# KiCad board motordecoder2-roomlight.kicad_pcb (continued)
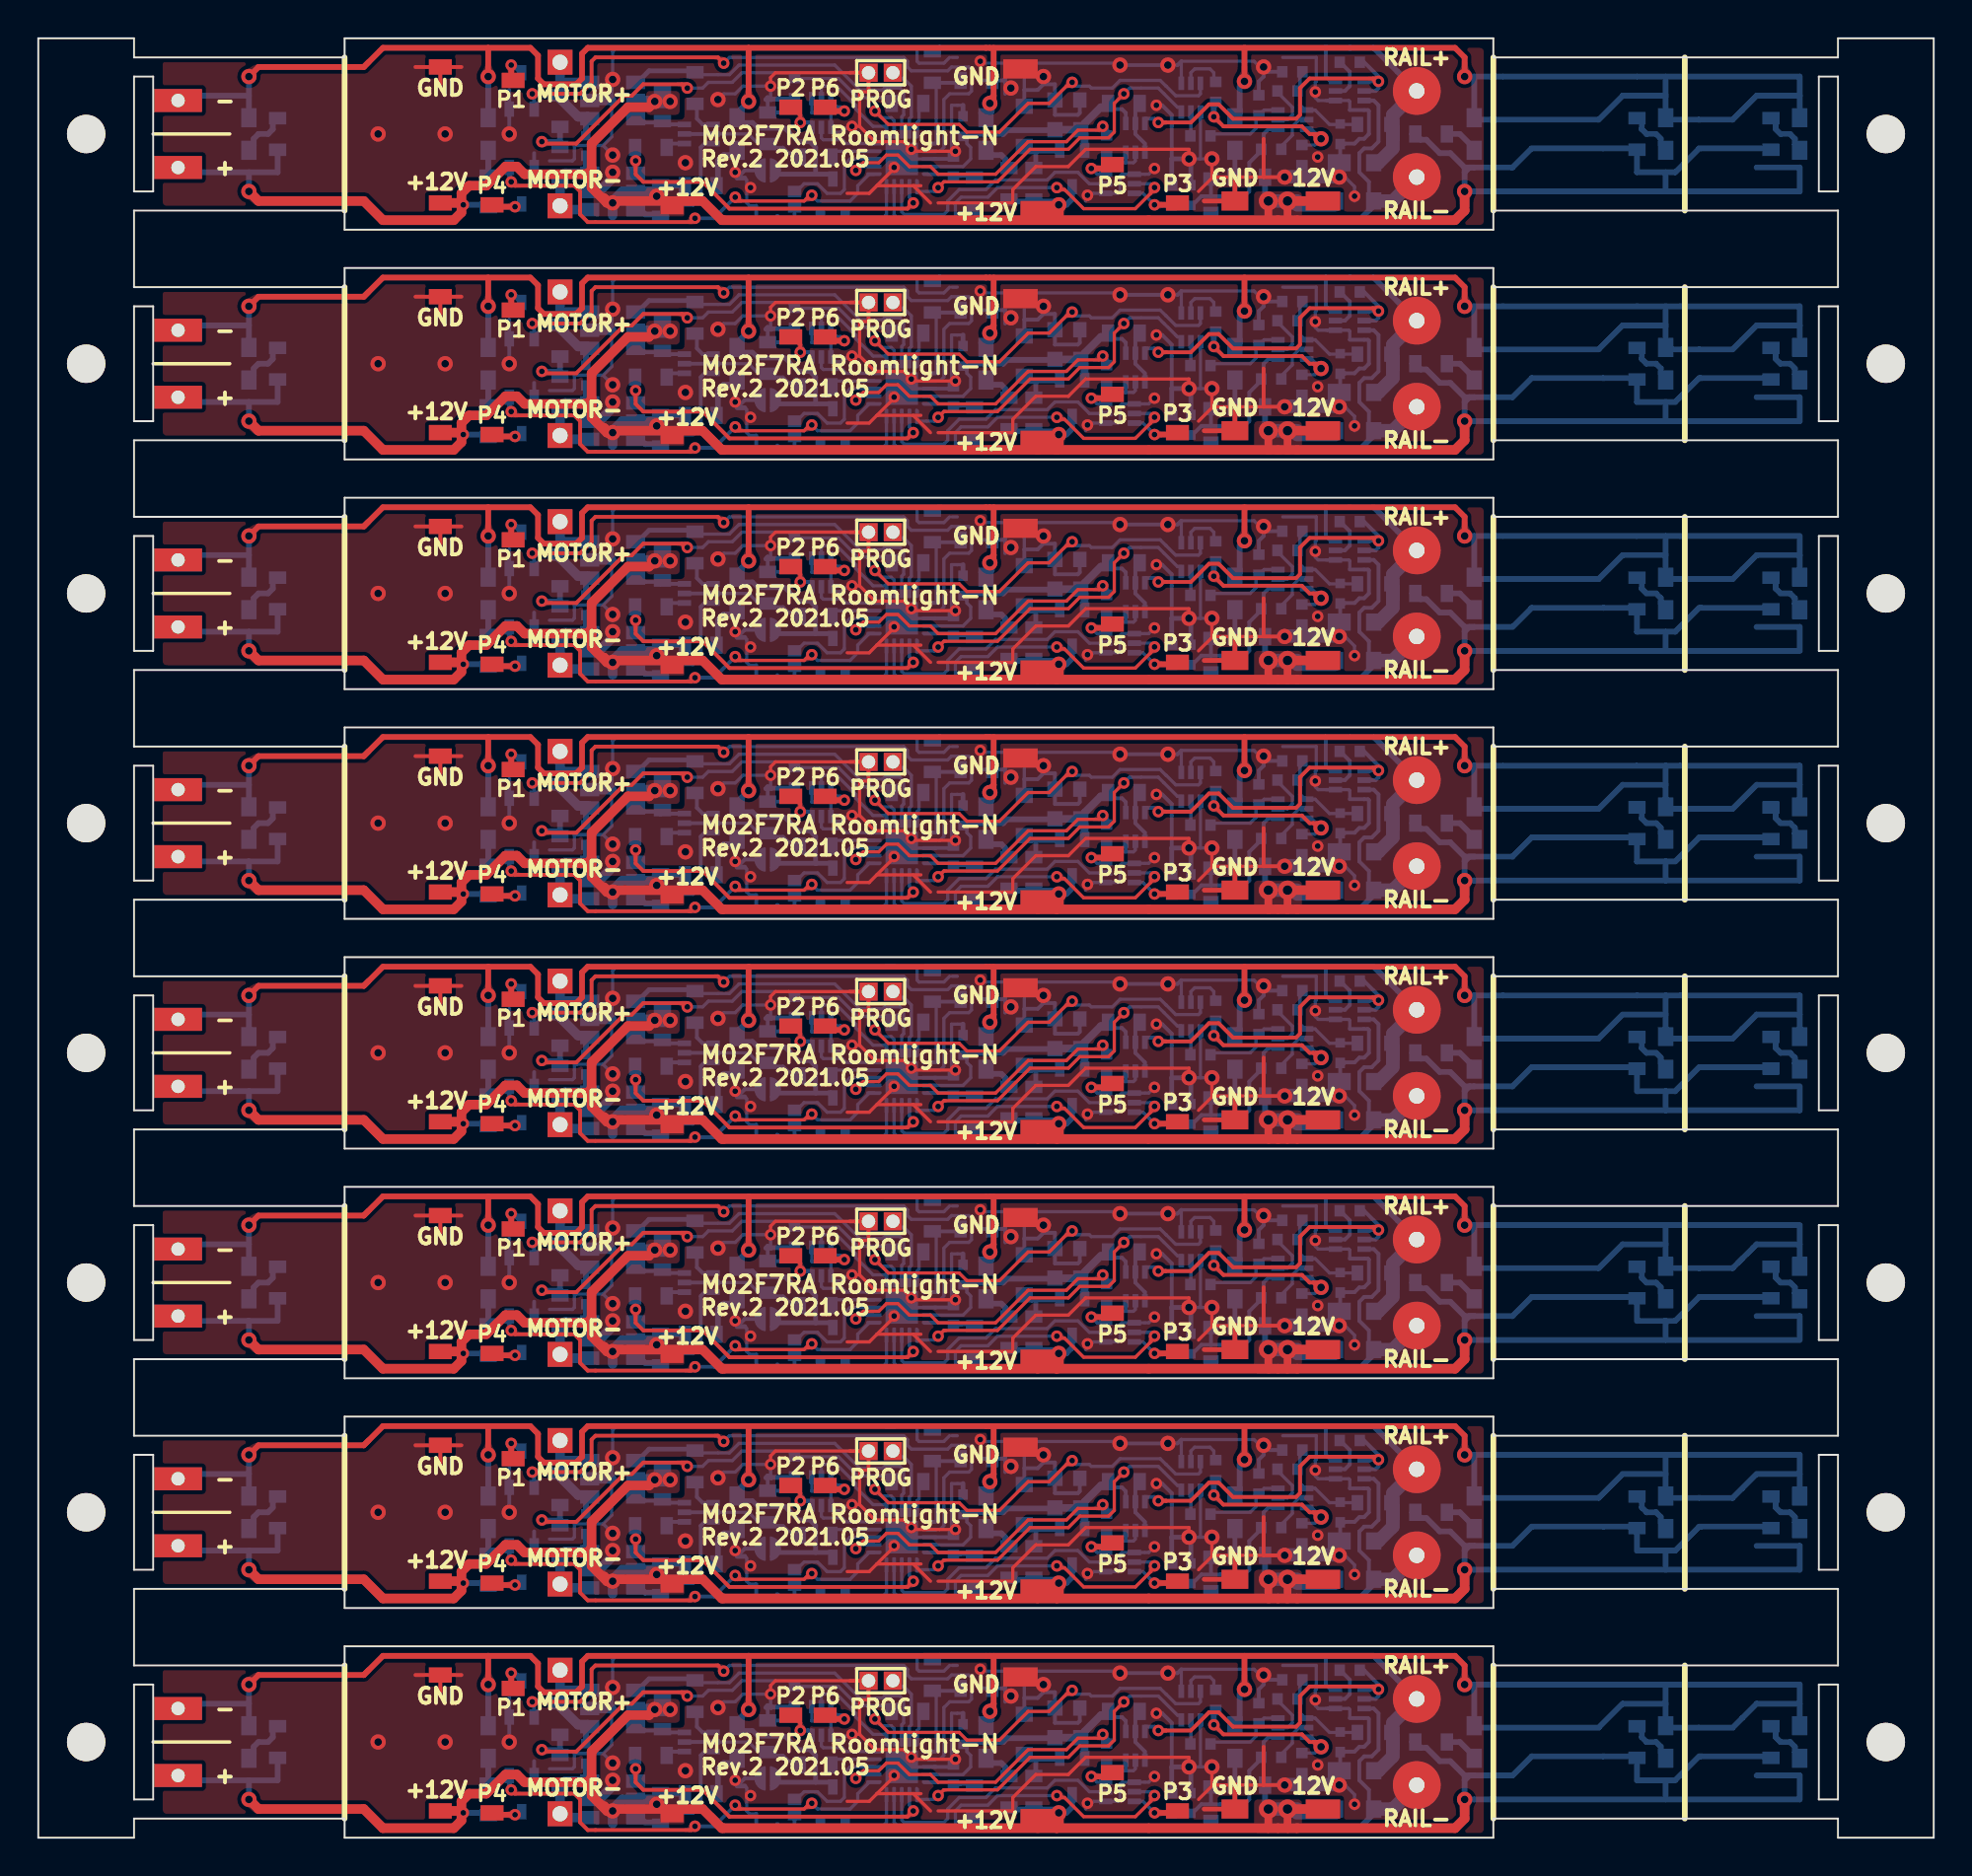
[diagram p0: board, top side]
## Placement (name value [footprint] x y rotation side) (continued)
J12#8  PAD  [PAD_1.2x0.8_SMD]  23.7 1.3 0 top
J13  PAD  [PAD_1.2x0.8_SMD]  56.1 87.4 0 top
J13#2  PAD  [PAD_1.2x0.8_SMD]  56.1 75.4 0 top
J13#3  PAD  [PAD_1.2x0.8_SMD]  56.1 63.4 0 top
J13#4  PAD  [PAD_1.2x0.8_SMD]  56.1 51.4 0 top
J13#5  PAD  [PAD_1.2x0.8_SMD]  56.1 39.4 0 top
J13#6  PAD  [PAD_1.2x0.8_SMD]  56.1 27.4 0 top
J13#7  PAD  [PAD_1.2x0.8_SMD]  56.1 15.4 0 top
J13#8  PAD  [PAD_1.2x0.8_SMD]  56.1 3.4 0 top
J14  PAD  [PAD_1.2x0.8_SMD]  59.5 85.4 0 top
J14#2  PAD  [PAD_1.2x0.8_SMD]  59.5 73.4 0 top
J14#3  PAD  [PAD_1.2x0.8_SMD]  59.5 61.4 0 top
J14#4  PAD  [PAD_1.2x0.8_SMD]  59.5 49.4 0 top
J14#5  PAD  [PAD_1.2x0.8_SMD]  59.5 37.4 0 top
J14#6  PAD  [PAD_1.2x0.8_SMD]  59.5 25.4 0 top
J14#7  PAD  [PAD_1.2x0.8_SMD]  59.5 13.4 0 top
J14#8  PAD  [PAD_1.2x0.8_SMD]  59.5 1.4 0 top
J15  PAD  [PAD_1.0x1.8_SMD]  52.2 85 90 top
J15#2  PAD  [PAD_1.0x1.8_SMD]  52.2 73 90 top
J15#3  PAD  [PAD_1.0x1.8_SMD]  52.2 61 90 top
J15#4  PAD  [PAD_1.0x1.8_SMD]  52.2 49 90 top
J15#5  PAD  [PAD_1.0x1.8_SMD]  52.2 37 90 top
J15#6  PAD  [PAD_1.0x1.8_SMD]  52.2 25 90 top
J15#7  PAD  [PAD_1.0x1.8_SMD]  52.2 13 90 top
J15#8  PAD  [PAD_1.0x1.8_SMD]  52.2 1 90 top
J16  PAD  [PAD_1.2x0.8_SMD]  41.1 90.4 0 top
J16#2  PAD  [PAD_1.2x0.8_SMD]  41.1 78.4 0 top
J16#3  PAD  [PAD_1.2x0.8_SMD]  41.1 66.4 0 top
J16#4  PAD  [PAD_1.2x0.8_SMD]  41.1 54.4 0 top
J16#5  PAD  [PAD_1.2x0.8_SMD]  41.1 42.4 0 top
J16#6  PAD  [PAD_1.2x0.8_SMD]  41.1 30.4 0 top
J16#7  PAD  [PAD_1.2x0.8_SMD]  41.1 18.4 0 top
J16#8  PAD  [PAD_1.2x0.8_SMD]  41.1 6.4 0 top
J17  PAD  [PAD_1.2x0.8_SMD]  33.1 85.2 0 top
J17#2  PAD  [PAD_1.2x0.8_SMD]  33.1 73.2 0 top
J17#3  PAD  [PAD_1.2x0.8_SMD]  33.1 61.2 0 top
J17#4  PAD  [PAD_1.2x0.8_SMD]  33.1 49.2 0 top
J17#5  PAD  [PAD_1.2x0.8_SMD]  33.1 37.2 0 top
J17#6  PAD  [PAD_1.2x0.8_SMD]  33.1 25.2 0 top
J17#7  PAD  [PAD_1.2x0.8_SMD]  33.1 13.2 0 top
J17#8  PAD  [PAD_1.2x0.8_SMD]  33.1 1.2 0 top
J18  PAD  [PAD_1.2x0.8_SMD]  39.3 90.4 0 top
J18#2  PAD  [PAD_1.2x0.8_SMD]  39.3 78.4 0 top
J18#3  PAD  [PAD_1.2x0.8_SMD]  39.3 66.4 0 top
J18#4  PAD  [PAD_1.2x0.8_SMD]  39.3 54.4 0 top
J18#5  PAD  [PAD_1.2x0.8_SMD]  39.3 42.4 0 top
J18#6  PAD  [PAD_1.2x0.8_SMD]  39.3 30.4 0 top
J18#7  PAD  [PAD_1.2x0.8_SMD]  39.3 18.4 0 top
J18#8  PAD  [PAD_1.2x0.8_SMD]  39.3 6.4 0 top
J19  PAD  [PAD_1.0x1.8_SMD]  51.3 92.4 90 top
J19#2  PAD  [PAD_1.0x1.8_SMD]  51.3 80.4 90 top
J19#3  PAD  [PAD_1.0x1.8_SMD]  51.3 68.4 90 top
J19#4  PAD  [PAD_1.0x1.8_SMD]  51.3 56.4 90 top
J19#5  PAD  [PAD_1.0x1.8_SMD]  51.3 44.4 90 top
J19#6  PAD  [PAD_1.0x1.8_SMD]  51.3 32.4 90 top
J19#7  PAD  [PAD_1.0x1.8_SMD]  51.3 20.4 90 top
J19#8  PAD  [PAD_1.0x1.8_SMD]  51.3 8.4 90 top
J21  PAD  [PCB_CONN_PAD_2.5mmx1.2mm]  7.3 87.25 0 top
J21#2  PAD  [PCB_CONN_PAD_2.5mmx1.2mm]  7.3 75.25 0 top
J21#3  PAD  [PCB_CONN_PAD_2.5mmx1.2mm]  7.3 63.25 0 top
J21#4  PAD  [PCB_CONN_PAD_2.5mmx1.2mm]  7.3 51.25 0 top
J21#5  PAD  [PCB_CONN_PAD_2.5mmx1.2mm]  7.3 39.25 0 top
J21#6  PAD  [PCB_CONN_PAD_2.5mmx1.2mm]  7.3 27.25 0 top
J21#7  PAD  [PCB_CONN_PAD_2.5mmx1.2mm]  7.3 15.25 0 top
J21#8  PAD  [PCB_CONN_PAD_2.5mmx1.2mm]  7.3 3.25 0 top
J22  PAD  [PCB_CONN_PAD_2.5mmx1.2mm]  7.3 90.75 0 top
J22#2  PAD  [PCB_CONN_PAD_2.5mmx1.2mm]  7.3 78.75 0 top
J22#3  PAD  [PCB_CONN_PAD_2.5mmx1.2mm]  7.3 66.75 0 top
J22#4  PAD  [PCB_CONN_PAD_2.5mmx1.2mm]  7.3 54.75 0 top
J22#5  PAD  [PCB_CONN_PAD_2.5mmx1.2mm]  7.3 42.75 0 top
J22#6  PAD  [PCB_CONN_PAD_2.5mmx1.2mm]  7.3 30.75 0 top
J22#7  PAD  [PCB_CONN_PAD_2.5mmx1.2mm]  7.3 18.75 0 top
J22#8  PAD  [PCB_CONN_PAD_2.5mmx1.2mm]  7.3 6.75 0 top
JP1  Jumper  [SOLDER_CONN_PAD_2_1.5mm]  38.1 87.1 90 bottom
JP1#2  Jumper  [SOLDER_CONN_PAD_2_1.5mm]  38.1 75.1 90 bottom
JP1#3  Jumper  [SOLDER_CONN_PAD_2_1.5mm]  38.1 63.1 90 bottom
JP1#4  Jumper  [SOLDER_CONN_PAD_2_1.5mm]  38.1 51.1 90 bottom
JP1#5  Jumper  [SOLDER_CONN_PAD_2_1.5mm]  38.1 39.1 90 bottom
JP1#6  Jumper  [SOLDER_CONN_PAD_2_1.5mm]  38.1 27.1 90 bottom
JP1#7  Jumper  [SOLDER_CONN_PAD_2_1.5mm]  38.1 15.1 90 bottom
JP1#8  Jumper  [SOLDER_CONN_PAD_2_1.5mm]  38.1 3.1 90 bottom
JP2  Jumper  [SOLDER_CONN_PAD_0.7mm_1.4mm]  39.5 85.6 270 bottom
JP2#2  Jumper  [SOLDER_CONN_PAD_0.7mm_1.4mm]  39.5 73.6 270 bottom
JP2#3  Jumper  [SOLDER_CONN_PAD_0.7mm_1.4mm]  39.5 61.6 270 bottom
JP2#4  Jumper  [SOLDER_CONN_PAD_0.7mm_1.4mm]  39.5 49.6 270 bottom
JP2#5  Jumper  [SOLDER_CONN_PAD_0.7mm_1.4mm]  39.5 37.6 270 bottom
JP2#6  Jumper  [SOLDER_CONN_PAD_0.7mm_1.4mm]  39.5 25.6 270 bottom
JP2#7  Jumper  [SOLDER_CONN_PAD_0.7mm_1.4mm]  39.5 13.6 270 bottom
JP2#8  Jumper  [SOLDER_CONN_PAD_0.7mm_1.4mm]  39.5 1.6 270 bottom
P1  PAD  [PAD_COIL_1.3x1.3_Hole0.8]  72 91.25 0 bottom
P1#2  PAD  [PAD_COIL_1.3x1.3_Hole0.8]  72 79.25 0 bottom
P1#3  PAD  [PAD_COIL_1.3x1.3_Hole0.8]  72 67.25 0 bottom
P1#4  PAD  [PAD_COIL_1.3x1.3_Hole0.8]  72 55.25 0 bottom
P1#5  PAD  [PAD_COIL_1.3x1.3_Hole0.8]  72 43.25 0 bottom
P1#6  PAD  [PAD_COIL_1.3x1.3_Hole0.8]  72 31.25 0 bottom
P1#7  PAD  [PAD_COIL_1.3x1.3_Hole0.8]  72 19.25 0 bottom
P1#8  PAD  [PAD_COIL_1.3x1.3_Hole0.8]  72 7.25 0 bottom
P3  PAD  [PAD_COIL_1.3x1.3_Hole0.8]  72 86.75 0 bottom
P3#2  PAD  [PAD_COIL_1.3x1.3_Hole0.8]  72 74.75 0 bottom
P3#3  PAD  [PAD_COIL_1.3x1.3_Hole0.8]  72 62.75 0 bottom
P3#4  PAD  [PAD_COIL_1.3x1.3_Hole0.8]  72 50.75 0 bottom
P3#5  PAD  [PAD_COIL_1.3x1.3_Hole0.8]  72 38.75 0 bottom
P3#6  PAD  [PAD_COIL_1.3x1.3_Hole0.8]  72 26.75 0 bottom
P3#7  PAD  [PAD_COIL_1.3x1.3_Hole0.8]  72 14.75 0 bottom
P3#8  PAD  [PAD_COIL_1.3x1.3_Hole0.8]  72 2.75 0 bottom
P5  PAD  [PAD_1.3x1.3_Hole0.8]  27.25 92.75 0 bottom
P5#2  PAD  [PAD_1.3x1.3_Hole0.8]  27.25 80.75 0 bottom
P5#3  PAD  [PAD_1.3x1.3_Hole0.8]  27.25 68.75 0 bottom
P5#4  PAD  [PAD_1.3x1.3_Hole0.8]  27.25 56.75 0 bottom
P5#5  PAD  [PAD_1.3x1.3_Hole0.8]  27.25 44.75 0 bottom
P5#6  PAD  [PAD_1.3x1.3_Hole0.8]  27.25 32.75 0 bottom
P5#7  PAD  [PAD_1.3x1.3_Hole0.8]  27.25 20.75 0 bottom
P5#8  PAD  [PAD_1.3x1.3_Hole0.8]  27.25 8.75 0 bottom
P6  PAD  [PAD_1.3x1.3_Hole0.8]  27.25 85.25 0 bottom
P6#2  PAD  [PAD_1.3x1.3_Hole0.8]  27.25 73.25 0 bottom
P6#3  PAD  [PAD_1.3x1.3_Hole0.8]  27.25 61.25 0 bottom
P6#4  PAD  [PAD_1.3x1.3_Hole0.8]  27.25 49.25 0 bottom
P6#5  PAD  [PAD_1.3x1.3_Hole0.8]  27.25 37.25 0 bottom
P6#6  PAD  [PAD_1.3x1.3_Hole0.8]  27.25 25.25 0 bottom
P6#7  PAD  [PAD_1.3x1.3_Hole0.8]  27.25 13.25 0 bottom
P6#8  PAD  [PAD_1.3x1.3_Hole0.8]  27.25 1.25 0 bottom
P7  PAD  [PAD_1.0x1.8_SMD]  67.1 85.5 90 top
P7#2  PAD  [PAD_1.0x1.8_SMD]  67.1 73.5 90 top
P7#3  PAD  [PAD_1.0x1.8_SMD]  67.1 61.5 90 top
P7#4  PAD  [PAD_1.0x1.8_SMD]  67.1 49.5 90 top
P7#5  PAD  [PAD_1.0x1.8_SMD]  67.1 37.5 90 top
P7#6  PAD  [PAD_1.0x1.8_SMD]  67.1 25.5 90 top
P7#7  PAD  [PAD_1.0x1.8_SMD]  67.1 13.5 90 top
P7#8  PAD  [PAD_1.0x1.8_SMD]  67.1 1.5 90 top
P8  PAD  [PAD_1.0x1.4_SMD]  62.5 85.5 90 top
P8#2  PAD  [PAD_1.0x1.4_SMD]  62.5 73.5 90 top
P8#3  PAD  [PAD_1.0x1.4_SMD]  62.5 61.5 90 top
P8#4  PAD  [PAD_1.0x1.4_SMD]  62.5 49.5 90 top
P8#5  PAD  [PAD_1.0x1.4_SMD]  62.5 37.5 90 top
P8#6  PAD  [PAD_1.0x1.4_SMD]  62.5 25.5 90 top
P8#7  PAD  [PAD_1.0x1.4_SMD]  62.5 13.5 90 top
P8#8  PAD  [PAD_1.0x1.4_SMD]  62.5 1.5 90 top
P9  PROG  [PAD_PROG_2PIN_HOLE0.7]  44 92.2 180 bottom
P9#2  PROG  [PAD_PROG_2PIN_HOLE0.7]  44 80.2 180 bottom
P9#3  PROG  [PAD_PROG_2PIN_HOLE0.7]  44 68.2 180 bottom
P9#4  PROG  [PAD_PROG_2PIN_HOLE0.7]  44 56.2 180 bottom
P9#5  PROG  [PAD_PROG_2PIN_HOLE0.7]  44 44.2 180 bottom
P9#6  PROG  [PAD_PROG_2PIN_HOLE0.7]  44 32.2 180 bottom
P9#7  PROG  [PAD_PROG_2PIN_HOLE0.7]  44 20.2 180 bottom
P9#8  PROG  [PAD_PROG_2PIN_HOLE0.7]  44 8.2 180 bottom
P10  PAD  [PAD_1.2x0.8_SMD]  21 85.4 0 top
P10#2  PAD  [PAD_1.2x0.8_SMD]  21 73.4 0 top
P10#3  PAD  [PAD_1.2x0.8_SMD]  21 61.4 0 top
P10#4  PAD  [PAD_1.2x0.8_SMD]  21 49.4 0 top
P10#5  PAD  [PAD_1.2x0.8_SMD]  21 37.4 0 top
P10#6  PAD  [PAD_1.2x0.8_SMD]  21 25.4 0 top
P10#7  PAD  [PAD_1.2x0.8_SMD]  21 13.4 0 top
P10#8  PAD  [PAD_1.2x0.8_SMD]  21 1.4 0 top
P11  PAD  [PAD_1.2x0.8_SMD]  21 92.5 0 top
P11#2  PAD  [PAD_1.2x0.8_SMD]  21 80.5 0 top
P11#3  PAD  [PAD_1.2x0.8_SMD]  21 68.5 0 top
P11#4  PAD  [PAD_1.2x0.8_SMD]  21 56.5 0 top
P11#5  PAD  [PAD_1.2x0.8_SMD]  21 44.5 0 top
P11#6  PAD  [PAD_1.2x0.8_SMD]  21 32.5 0 top
P11#7  PAD  [PAD_1.2x0.8_SMD]  21 20.5 0 top
P11#8  PAD  [PAD_1.2x0.8_SMD]  21 8.5 0 top
Q1  DMG6601LVT  [SOT-23-6]  30 90.75 270 bottom
Q1#2  DMG6601LVT  [SOT-23-6]  30 78.75 270 bottom
Q1#3  DMG6601LVT  [SOT-23-6]  30 66.75 270 bottom
Q1#4  DMG6601LVT  [SOT-23-6]  30 54.75 270 bottom
Q1#5  DMG6601LVT  [SOT-23-6]  30 42.75 270 bottom
Q1#6  DMG6601LVT  [SOT-23-6]  30 30.75 270 bottom
Q1#7  DMG6601LVT  [SOT-23-6]  30 18.75 270 bottom
Q1#8  DMG6601LVT  [SOT-23-6]  30 6.75 270 bottom
Q2  DMG6601LVT  [SOT-23-6]  30 86 270 bottom
Q2#2  DMG6601LVT  [SOT-23-6]  30 74 270 bottom
Q2#3  DMG6601LVT  [SOT-23-6]  30 62 270 bottom
Q2#4  DMG6601LVT  [SOT-23-6]  30 50 270 bottom
Q2#5  DMG6601LVT  [SOT-23-6]  30 38 270 bottom
Q2#6  DMG6601LVT  [SOT-23-6]  30 26 270 bottom
Q2#7  DMG6601LVT  [SOT-23-6]  30 14 270 bottom
Q2#8  DMG6601LVT  [SOT-23-6]  30 2 270 bottom
Q3  PMBT3904VS  [SOT-666-nomark]  34.5 89 180 bottom
Q3#2  PMBT3904VS  [SOT-666-nomark]  34.5 77 180 bottom
Q3#3  PMBT3904VS  [SOT-666-nomark]  34.5 65 180 bottom
Q3#4  PMBT3904VS  [SOT-666-nomark]  34.5 53 180 bottom
Q3#5  PMBT3904VS  [SOT-666-nomark]  34.5 41 180 bottom
Q3#6  PMBT3904VS  [SOT-666-nomark]  34.5 29 180 bottom
Q3#7  PMBT3904VS  [SOT-666-nomark]  34.5 17 180 bottom
Q3#8  PMBT3904VS  [SOT-666-nomark]  34.5 5 180 bottom
Q5  2SC4116  [SC-70_v2]  54 87.2 0 bottom
Q5#2  2SC4116  [SC-70_v2]  54 75.2 0 bottom
Q5#3  2SC4116  [SC-70_v2]  54 63.2 0 bottom
Q5#4  2SC4116  [SC-70_v2]  54 51.2 0 bottom
Q5#5  2SC4116  [SC-70_v2]  54 39.2 0 bottom
Q5#6  2SC4116  [SC-70_v2]  54 27.2 0 bottom
Q5#7  2SC4116  [SC-70_v2]  54 15.2 0 bottom
Q5#8  2SC4116  [SC-70_v2]  54 3.2 0 bottom
Q6  PMBT3906VS  [SOT-666-nomark]  57.3 88.8 270 bottom
Q6#2  PMBT3906VS  [SOT-666-nomark]  57.3 76.8 270 bottom
Q6#3  PMBT3906VS  [SOT-666-nomark]  57.3 64.8 270 bottom
Q6#4  PMBT3906VS  [SOT-666-nomark]  57.3 52.8 270 bottom
Q6#5  PMBT3906VS  [SOT-666-nomark]  57.3 40.8 270 bottom
Q6#6  PMBT3906VS  [SOT-666-nomark]  57.3 28.8 270 bottom
Q6#7  PMBT3906VS  [SOT-666-nomark]  57.3 16.8 270 bottom
Q6#8  PMBT3906VS  [SOT-666-nomark]  57.3 4.8 270 bottom
Q8  PMBT3904VS  [SOT-666-nomark]  68.5 91.25 0 bottom
Q8#2  PMBT3904VS  [SOT-666-nomark]  68.5 79.25 0 bottom
Q8#3  PMBT3904VS  [SOT-666-nomark]  68.5 67.25 0 bottom
Q8#4  PMBT3904VS  [SOT-666-nomark]  68.5 55.25 0 bottom
Q8#5  PMBT3904VS  [SOT-666-nomark]  68.5 43.25 0 bottom
Q8#6  PMBT3904VS  [SOT-666-nomark]  68.5 31.25 0 bottom
Q8#7  PMBT3904VS  [SOT-666-nomark]  68.5 19.25 0 bottom
Q8#8  PMBT3904VS  [SOT-666-nomark]  68.5 7.25 0 bottom
Q11  SSM3K7002BFU  [SC-70_v2]  25.25 91.25 180 bottom
Q11#2  SSM3K7002BFU  [SC-70_v2]  25.25 79.25 180 bottom
Q11#3  SSM3K7002BFU  [SC-70_v2]  25.25 67.25 180 bottom
Q11#4  SSM3K7002BFU  [SC-70_v2]  25.25 55.25 180 bottom
Q11#5  SSM3K7002BFU  [SC-70_v2]  25.25 43.25 180 bottom
Q11#6  SSM3K7002BFU  [SC-70_v2]  25.25 31.25 180 bottom
Q11#7  SSM3K7002BFU  [SC-70_v2]  25.25 19.25 180 bottom
Q11#8  SSM3K7002BFU  [SC-70_v2]  25.25 7.25 180 bottom
Q12  SSM3K7002BFU  [SC-70_v2]  25.25 86.3 0 bottom
Q12#2  SSM3K7002BFU  [SC-70_v2]  25.25 74.3 0 bottom
Q12#3  SSM3K7002BFU  [SC-70_v2]  25.25 62.3 0 bottom
Q12#4  SSM3K7002BFU  [SC-70_v2]  25.25 50.3 0 bottom
Q12#5  SSM3K7002BFU  [SC-70_v2]  25.25 38.3 0 bottom
Q12#6  SSM3K7002BFU  [SC-70_v2]  25.25 26.3 0 bottom
Q12#7  SSM3K7002BFU  [SC-70_v2]  25.25 14.3 0 bottom
Q12#8  SSM3K7002BFU  [SC-70_v2]  25.25 2.3 0 bottom
Q13  SSM6N7002BFE  [SOT-666-nomark]  56.5 86.4 180 bottom
Q13#2  SSM6N7002BFE  [SOT-666-nomark]  56.5 74.4 180 bottom
Q13#3  SSM6N7002BFE  [SOT-666-nomark]  56.5 62.4 180 bottom
Q13#4  SSM6N7002BFE  [SOT-666-nomark]  56.5 50.4 180 bottom
Q13#5  SSM6N7002BFE  [SOT-666-nomark]  56.5 38.4 180 bottom
Q13#6  SSM6N7002BFE  [SOT-666-nomark]  56.5 26.4 180 bottom
Q13#7  SSM6N7002BFE  [SOT-666-nomark]  56.5 14.4 180 bottom
Q13#8  SSM6N7002BFE  [SOT-666-nomark]  56.5 2.4 180 bottom
Q14  SSM6N7002BFE  [SOT-666-nomark]  40.9 90.1 90 bottom
Q14#2  SSM6N7002BFE  [SOT-666-nomark]  40.9 78.1 90 bottom
Q14#3  SSM6N7002BFE  [SOT-666-nomark]  40.9 66.1 90 bottom
Q14#4  SSM6N7002BFE  [SOT-666-nomark]  40.9 54.1 90 bottom
Q14#5  SSM6N7002BFE  [SOT-666-nomark]  40.9 42.1 90 bottom
Q14#6  SSM6N7002BFE  [SOT-666-nomark]  40.9 30.1 90 bottom
Q14#7  SSM6N7002BFE  [SOT-666-nomark]  40.9 18.1 90 bottom
Q14#8  SSM6N7002BFE  [SOT-666-nomark]  40.9 6.1 90 bottom
Q17  SSM3K7002BFU  [SC-70_v2]  41.5 85.7 180 bottom
Q17#2  SSM3K7002BFU  [SC-70_v2]  41.5 73.7 180 bottom
Q17#3  SSM3K7002BFU  [SC-70_v2]  41.5 61.7 180 bottom
Q17#4  SSM3K7002BFU  [SC-70_v2]  41.5 49.7 180 bottom
Q17#5  SSM3K7002BFU  [SC-70_v2]  41.5 37.7 180 bottom
Q17#6  SSM3K7002BFU  [SC-70_v2]  41.5 25.7 180 bottom
Q17#7  SSM3K7002BFU  [SC-70_v2]  41.5 13.7 180 bottom
Q17#8  SSM3K7002BFU  [SC-70_v2]  41.5 1.7 180 bottom
Q21  PMBT3906VS  [SOT-666-nomark]  65.5 89.75 0 bottom
Q21#2  PMBT3906VS  [SOT-666-nomark]  65.5 77.75 0 bottom
Q21#3  PMBT3906VS  [SOT-666-nomark]  65.5 65.75 0 bottom
Q21#4  PMBT3906VS  [SOT-666-nomark]  65.5 53.75 0 bottom
Q21#5  PMBT3906VS  [SOT-666-nomark]  65.5 41.75 0 bottom
Q21#6  PMBT3906VS  [SOT-666-nomark]  65.5 29.75 0 bottom
Q21#7  PMBT3906VS  [SOT-666-nomark]  65.5 17.75 0 bottom
Q21#8  PMBT3906VS  [SOT-666-nomark]  65.5 5.75 0 bottom
Q22  SSM6N7002BFE  [SOT-666-nomark]  60.2 90.9 270 bottom
Q22#2  SSM6N7002BFE  [SOT-666-nomark]  60.2 78.9 270 bottom
Q22#3  SSM6N7002BFE  [SOT-666-nomark]  60.2 66.9 270 bottom
Q22#4  SSM6N7002BFE  [SOT-666-nomark]  60.2 54.9 270 bottom
Q22#5  SSM6N7002BFE  [SOT-666-nomark]  60.2 42.9 270 bottom
Q22#6  SSM6N7002BFE  [SOT-666-nomark]  60.2 30.9 270 bottom
Q22#7  SSM6N7002BFE  [SOT-666-nomark]  60.2 18.9 270 bottom
Q22#8  SSM6N7002BFE  [SOT-666-nomark]  60.2 6.9 270 bottom
R1  104  [R_1608_v2]  46.7 92.5 270 bottom
R1#2  104  [R_1608_v2]  46.7 80.5 270 bottom
R1#3  104  [R_1608_v2]  46.7 68.5 270 bottom
R1#4  104  [R_1608_v2]  46.7 56.5 270 bottom
R1#5  104  [R_1608_v2]  46.7 44.5 270 bottom
R1#6  104  [R_1608_v2]  46.7 32.5 270 bottom
R1#7  104  [R_1608_v2]  46.7 20.5 270 bottom
R1#8  104  [R_1608_v2]  46.7 8.5 270 bottom
R2  104  [R_1608_v2]  48.9 85.9 90 bottom
R2#2  104  [R_1608_v2]  48.9 73.9 90 bottom
R2#3  104  [R_1608_v2]  48.9 61.9 90 bottom
R2#4  104  [R_1608_v2]  48.9 49.9 90 bottom
R2#5  104  [R_1608_v2]  48.9 37.9 90 bottom
R2#6  104  [R_1608_v2]  48.9 25.9 90 bottom
R2#7  104  [R_1608_v2]  48.9 13.9 90 bottom
R2#8  104  [R_1608_v2]  48.9 1.9 90 bottom
R3  102  [R_1608_v2]  32.6 90.5 270 bottom
R3#2  102  [R_1608_v2]  32.6 78.5 270 bottom
R3#3  102  [R_1608_v2]  32.6 66.5 270 bottom
R3#4  102  [R_1608_v2]  32.6 54.5 270 bottom
R3#5  102  [R_1608_v2]  32.6 42.5 270 bottom
R3#6  102  [R_1608_v2]  32.6 30.5 270 bottom
R3#7  102  [R_1608_v2]  32.6 18.5 270 bottom
R3#8  102  [R_1608_v2]  32.6 6.5 270 bottom
R4  102  [R_1608_v2]  32.5 85.5 270 bottom
R4#2  102  [R_1608_v2]  32.5 73.5 270 bottom
R4#3  102  [R_1608_v2]  32.5 61.5 270 bottom
R4#4  102  [R_1608_v2]  32.5 49.5 270 bottom
R4#5  102  [R_1608_v2]  32.5 37.5 270 bottom
R4#6  102  [R_1608_v2]  32.5 25.5 270 bottom
R4#7  102  [R_1608_v2]  32.5 13.5 270 bottom
R4#8  102  [R_1608_v2]  32.5 1.5 270 bottom
R5  331  [R_1608_v2]  34.3 91.4 90 bottom
R5#2  331  [R_1608_v2]  34.3 79.4 90 bottom
R5#3  331  [R_1608_v2]  34.3 67.4 90 bottom
R5#4  331  [R_1608_v2]  34.3 55.4 90 bottom
R5#5  331  [R_1608_v2]  34.3 43.4 90 bottom
R5#6  331  [R_1608_v2]  34.3 31.4 90 bottom
R5#7  331  [R_1608_v2]  34.3 19.4 90 bottom
R5#8  331  [R_1608_v2]  34.3 7.4 90 bottom
R6  331  [R_1608_v2]  32 88.3 180 bottom
R6#2  331  [R_1608_v2]  32 76.3 180 bottom
R6#3  331  [R_1608_v2]  32 64.3 180 bottom
R6#4  331  [R_1608_v2]  32 52.3 180 bottom
R6#5  331  [R_1608_v2]  32 40.3 180 bottom
R6#6  331  [R_1608_v2]  32 28.3 180 bottom
R6#7  331  [R_1608_v2]  32 16.3 180 bottom
R6#8  331  [R_1608_v2]  32 4.3 180 bottom
R7  102  [R_1608_v2]  40.6 87.8 180 bottom
R7#2  102  [R_1608_v2]  40.6 75.8 180 bottom
R7#3  102  [R_1608_v2]  40.6 63.8 180 bottom
R7#4  102  [R_1608_v2]  40.6 51.8 180 bottom
R7#5  102  [R_1608_v2]  40.6 39.8 180 bottom
R7#6  102  [R_1608_v2]  40.6 27.8 180 bottom
R7#7  102  [R_1608_v2]  40.6 15.8 180 bottom
R7#8  102  [R_1608_v2]  40.6 3.8 180 bottom
R8  102  [R_1608_v2]  38.1 89.3 90 bottom
R8#2  102  [R_1608_v2]  38.1 77.3 90 bottom
R8#3  102  [R_1608_v2]  38.1 65.3 90 bottom
R8#4  102  [R_1608_v2]  38.1 53.3 90 bottom
R8#5  102  [R_1608_v2]  38.1 41.3 90 bottom
R8#6  102  [R_1608_v2]  38.1 29.3 90 bottom
R8#7  102  [R_1608_v2]  38.1 17.3 90 bottom
R8#8  102  [R_1608_v2]  38.1 5.3 90 bottom
R9  103  [R_1608_v2]  27.25 90.2 90 bottom
R9#2  103  [R_1608_v2]  27.25 78.2 90 bottom
R9#3  103  [R_1608_v2]  27.25 66.2 90 bottom
R9#4  103  [R_1608_v2]  27.25 54.2 90 bottom
R9#5  103  [R_1608_v2]  27.25 42.2 90 bottom
R9#6  103  [R_1608_v2]  27.25 30.2 90 bottom
R9#7  103  [R_1608_v2]  27.25 18.2 90 bottom
R9#8  103  [R_1608_v2]  27.25 6.2 90 bottom
R10  103  [R_1608_v2]  27.25 87.5 270 bottom
R10#2  103  [R_1608_v2]  27.25 75.5 270 bottom
R10#3  103  [R_1608_v2]  27.25 63.5 270 bottom
R10#4  103  [R_1608_v2]  27.25 51.5 270 bottom
R10#5  103  [R_1608_v2]  27.25 39.5 270 bottom
R10#6  103  [R_1608_v2]  27.25 27.5 270 bottom
R10#7  103  [R_1608_v2]  27.25 15.5 270 bottom
R10#8  103  [R_1608_v2]  27.25 3.5 270 bottom
R11  102  [R_1608_v2]  45.4 90.6 180 bottom
R11#2  102  [R_1608_v2]  45.4 78.6 180 bottom
R11#3  102  [R_1608_v2]  45.4 66.6 180 bottom
R11#4  102  [R_1608_v2]  45.4 54.6 180 bottom
R11#5  102  [R_1608_v2]  45.4 42.6 180 bottom
R11#6  102  [R_1608_v2]  45.4 30.6 180 bottom
R11#7  102  [R_1608_v2]  45.4 18.6 180 bottom
R11#8  102  [R_1608_v2]  45.4 6.6 180 bottom
R12  472  [R_1608_v2]  52 86.4 90 bottom
R12#2  472  [R_1608_v2]  52 74.4 90 bottom
R12#3  472  [R_1608_v2]  52 62.4 90 bottom
R12#4  472  [R_1608_v2]  52 50.4 90 bottom
R12#5  472  [R_1608_v2]  52 38.4 90 bottom
R12#6  472  [R_1608_v2]  52 26.4 90 bottom
R12#7  472  [R_1608_v2]  52 14.4 90 bottom
R12#8  472  [R_1608_v2]  52 2.4 90 bottom
R13  103  [R_1005]  55.8 88.4 90 bottom
R13#2  103  [R_1005]  55.8 76.4 90 bottom
R13#3  103  [R_1005]  55.8 64.4 90 bottom
R13#4  103  [R_1005]  55.8 52.4 90 bottom
R13#5  103  [R_1005]  55.8 40.4 90 bottom
R13#6  103  [R_1005]  55.8 28.4 90 bottom
R13#7  103  [R_1005]  55.8 16.4 90 bottom
R13#8  103  [R_1005]  55.8 4.4 90 bottom
R14  220  [R_1608_v2]  56.7 90.6 180 bottom
R14#2  220  [R_1608_v2]  56.7 78.6 180 bottom
R14#3  220  [R_1608_v2]  56.7 66.6 180 bottom
R14#4  220  [R_1608_v2]  56.7 54.6 180 bottom
R14#5  220  [R_1608_v2]  56.7 42.6 180 bottom
R14#6  220  [R_1608_v2]  56.7 30.6 180 bottom
R14#7  220  [R_1608_v2]  56.7 18.6 180 bottom
R14#8  220  [R_1608_v2]  56.7 6.6 180 bottom
R15  682  [R_1005]  68.5 92.75 180 bottom
R15#2  682  [R_1005]  68.5 80.75 180 bottom
R15#3  682  [R_1005]  68.5 68.75 180 bottom
R15#4  682  [R_1005]  68.5 56.75 180 bottom
R15#5  682  [R_1005]  68.5 44.75 180 bottom
R15#6  682  [R_1005]  68.5 32.75 180 bottom
R15#7  682  [R_1005]  68.5 20.75 180 bottom
R15#8  682  [R_1005]  68.5 8.75 180 bottom
R16  103  [R_1005]  39.5 91.4 270 bottom
R16#2  103  [R_1005]  39.5 79.4 270 bottom
R16#3  103  [R_1005]  39.5 67.4 270 bottom
R16#4  103  [R_1005]  39.5 55.4 270 bottom
R16#5  103  [R_1005]  39.5 43.4 270 bottom
R16#6  103  [R_1005]  39.5 31.4 270 bottom
R16#7  103  [R_1005]  39.5 19.4 270 bottom
R16#8  103  [R_1005]  39.5 7.4 270 bottom
R17  104  [R_1608_v2]  49 91.8 0 bottom
R17#2  104  [R_1608_v2]  49 79.8 0 bottom
R17#3  104  [R_1608_v2]  49 67.8 0 bottom
R17#4  104  [R_1608_v2]  49 55.8 0 bottom
R17#5  104  [R_1608_v2]  49 43.8 0 bottom
R17#6  104  [R_1608_v2]  49 31.8 0 bottom
R17#7  104  [R_1608_v2]  49 19.8 0 bottom
R17#8  104  [R_1608_v2]  49 7.8 0 bottom
R18  104  [R_1005]  47.8 87.3 90 bottom
R18#2  104  [R_1005]  47.8 75.3 90 bottom
R18#3  104  [R_1005]  47.8 63.3 90 bottom
R18#4  104  [R_1005]  47.8 51.3 90 bottom
R18#5  104  [R_1005]  47.8 39.3 90 bottom
R18#6  104  [R_1005]  47.8 27.3 90 bottom
R18#7  104  [R_1005]  47.8 15.3 90 bottom
R18#8  104  [R_1005]  47.8 3.3 90 bottom
R31  102  [R_1005]  65.25 91.25 0 bottom
R31#2  102  [R_1005]  65.25 79.25 0 bottom
R31#3  102  [R_1005]  65.25 67.25 0 bottom
R31#4  102  [R_1005]  65.25 55.25 0 bottom
R31#5  102  [R_1005]  65.25 43.25 0 bottom
R31#6  102  [R_1005]  65.25 31.25 0 bottom
R31#7  102  [R_1005]  65.25 19.25 0 bottom
R31#8  102  [R_1005]  65.25 7.25 0 bottom
R32  103  [R_1005]  65.5 92.25 180 bottom
R32#2  103  [R_1005]  65.5 80.25 180 bottom
R32#3  103  [R_1005]  65.5 68.25 180 bottom